# Altium PCB QCPower Rev A.PcbDoc (part 2 of 5)
Units mm, origin at the board's own origin, x right, y up, seen from the top; angles counter-clockwise.
Board outline 70 x 65 mm, 6 copper layers (Layer 1, Layer 2, Layer 3, Layer 4, Layer 5, Layer 6), stack 1.599 mm thick; 479 components, 300 nets, 1345 pads, 1188 vias.
Unrouted connection lines stored in the file: 4.
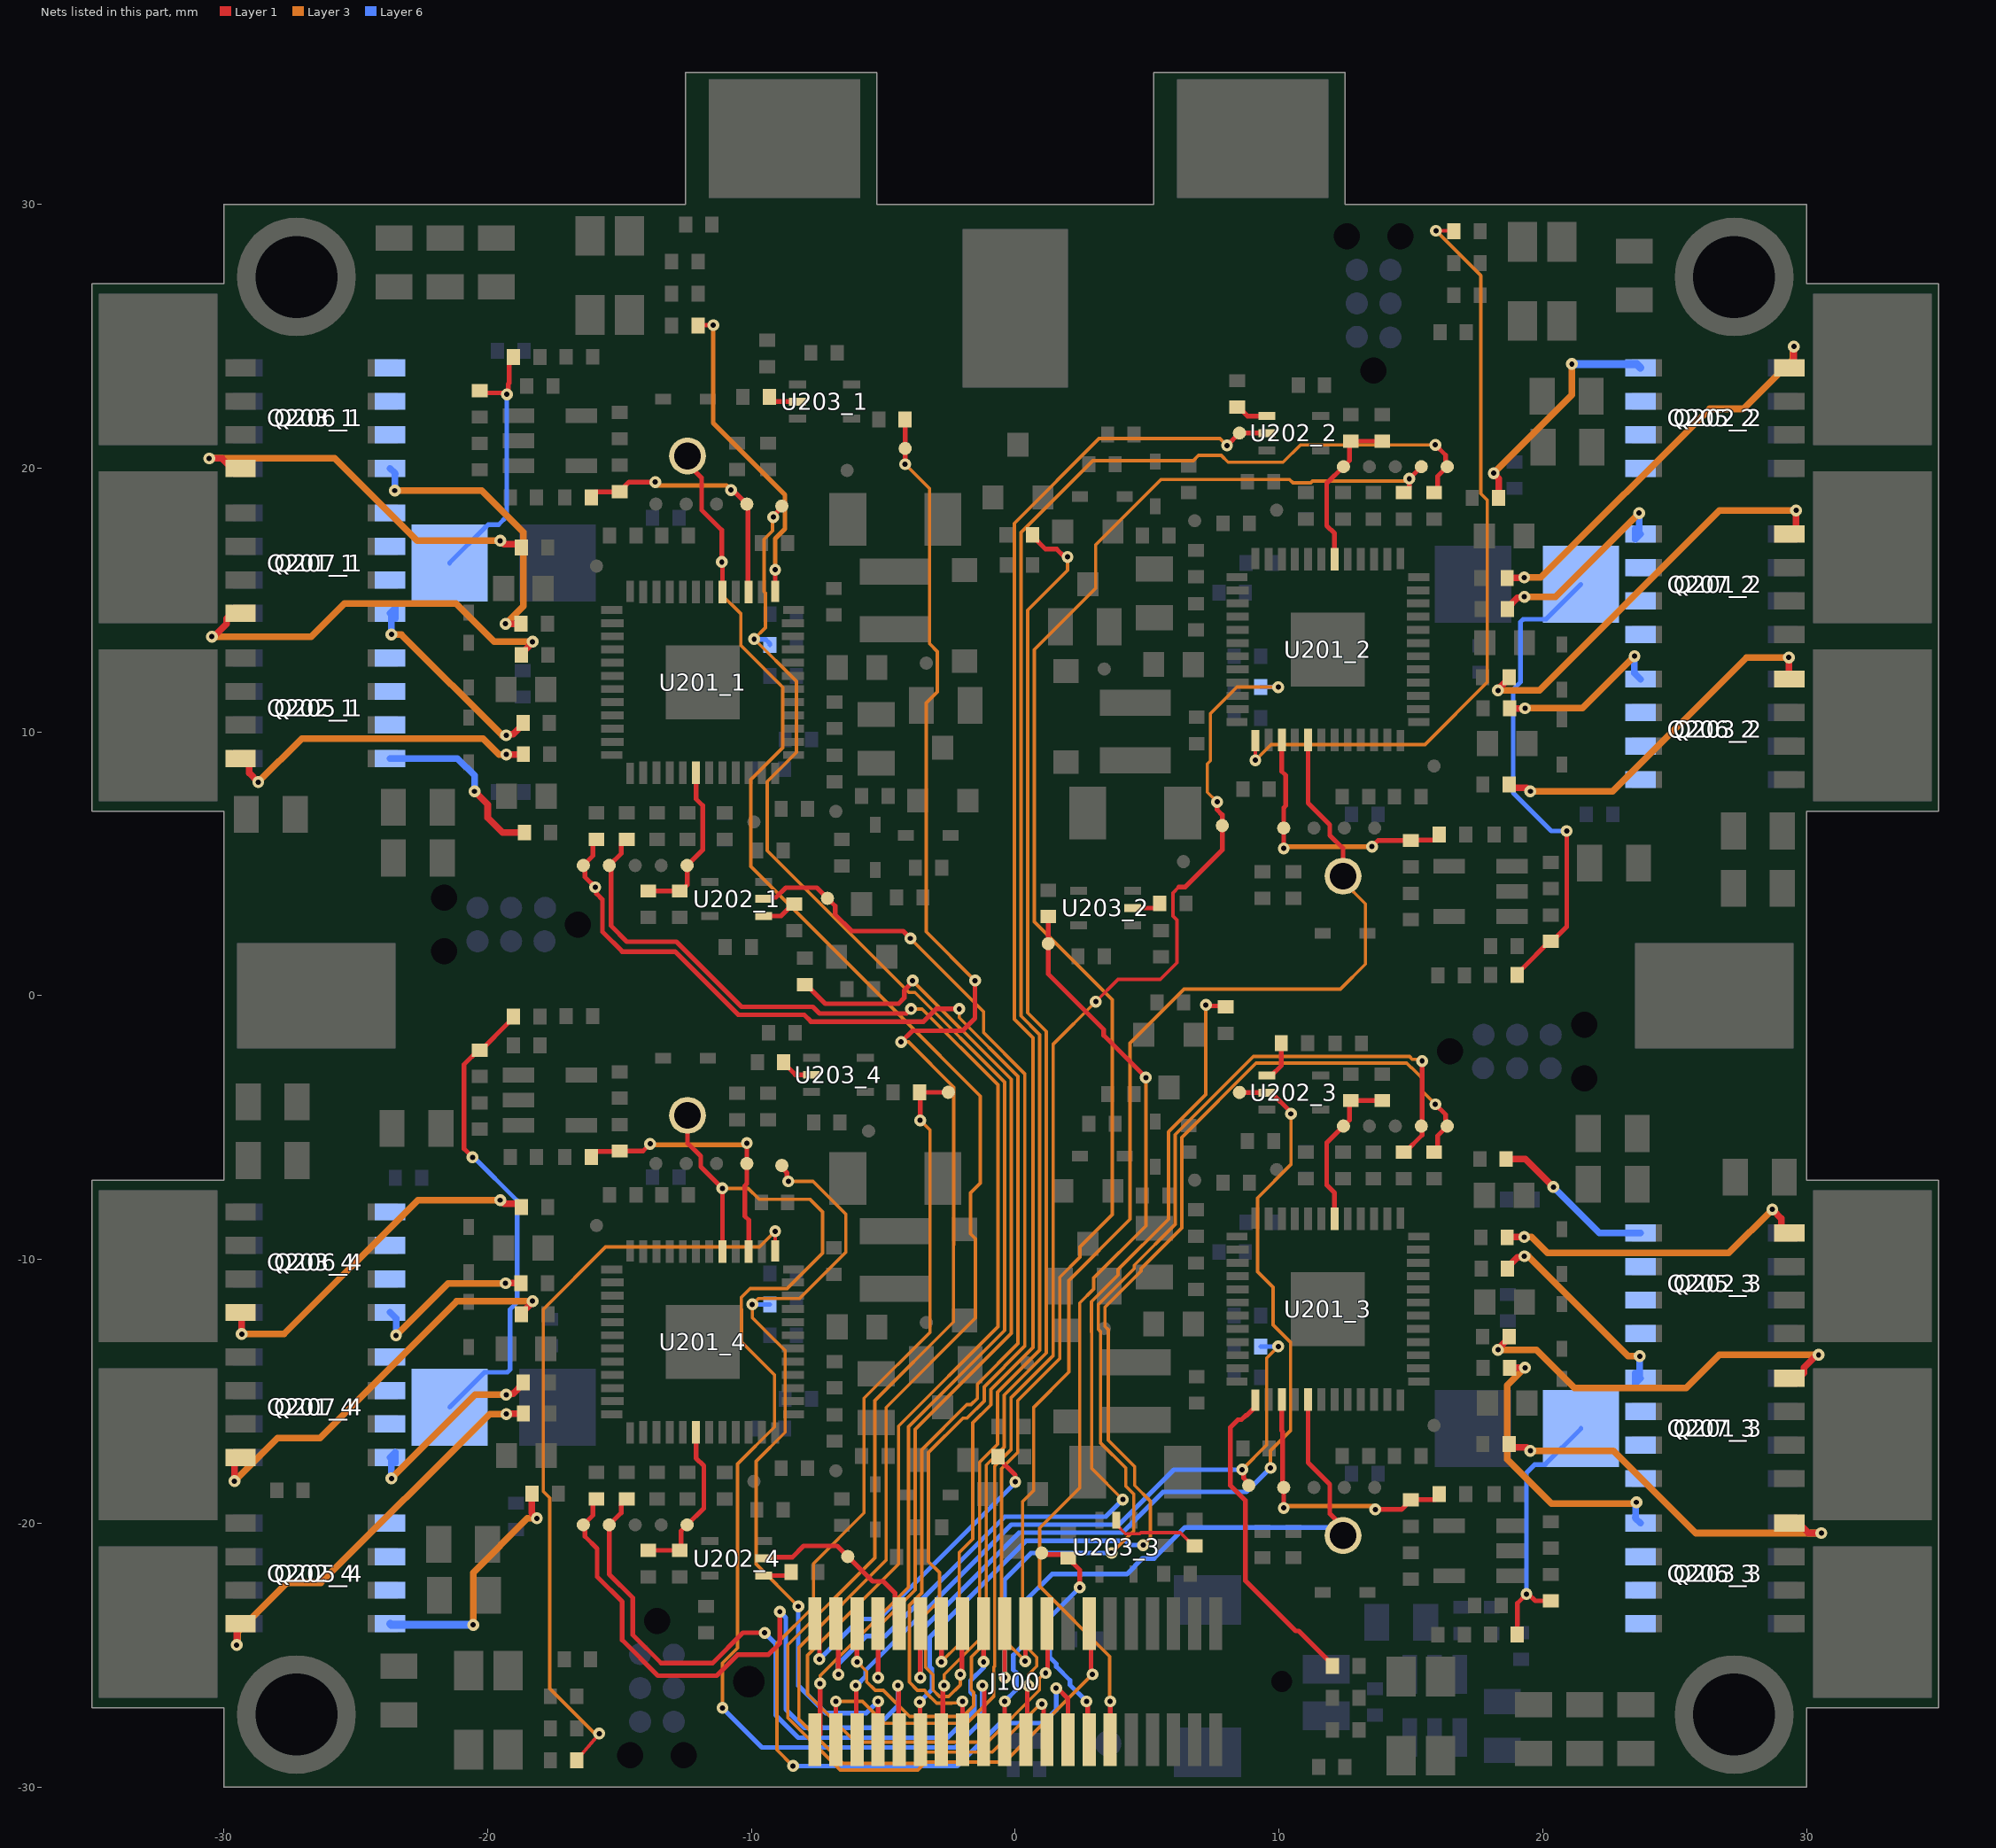
[diagram p6: the nets of this part, all layers, seen from the top]

## Footprints (in the part's own frame and the unit in brackets; to place one, negate y for a bottom-side part, rotate by r counter-clockwise, add the part's x,y. Pads: shape width x height; smd on the part's side, far side on the other; paste and mask are expansions set on the pad) (continued)
"DIODE SOD123" [mm]
  rect 0.9x0.95 smd: A(1.725,0) K(-1.725,0)
  silkscreen extent -2.42,-0.8 1.55,0.8, body extent -1.92,-0.67 1.93,0.68, height 0.81
"DIODE SOD-523" [mm]
  rect 0.605x0.401 smd paste+0 mask+0: A(0.852,0) K(-0.852,0)
  silkscreen extent -1.4,-0.58 0.78,0.58, body extent -0.85,-0.45 0.85,0.45, height 0.82
"IND SMD 0806" [mm]
  rect 1.1x1.77 smd: 1(-0.885,0) 2(0.885,0)
  silkscreen extent -1.67,-1.13 1.68,1.13, body extent -1,-0.8 1,0.8, height 1
"INDUCTOR SRN3015-220M" [mil]
  rect 39x106 smd paste+0 mask+0: 1(-43,0) 2(43,0)
  silkscreen extent -22,-66 22,66, body extent -61,-61 61,61, height 59
"PLCC-4 LED ASMB-MTB0-0A3A2" [mm]
  rect 1.1x1.5 smd: 1(-0.75,-1.5) 2(-0.75,1.5) 3(0.75,1.5) 4(0.75,-1.5)
  silkscreen extent -2.14,-2.14 1.53,1.7, body extent -1.4,-1.6 1.4,1.6, height 1.9
"POLARIZED CAP THROUGH HOLE SIDE MOUNT" [mm]
  rect 4x6 smd: 1(0,0)
  rect 4x6 smd far side: 2(0,0)
  silkscreen extent -2.3,-3 2.3,3.3, body extent -5,-20.69 5,0, height 4.21
"PowerFLAT 5x6" [mm]
  rect 0.65x1.15 smd: 1(-1.905,-2.7) 2(-0.635,-2.7) 3(0.635,-2.7) 4(1.905,-2.7) 5(1.905,2.7) 6(0.635,2.7) 7(-0.635,2.7) 8(-1.905,2.7)
  Layer 1 region: -2.3,3.275 -2.3,-1.325 2.3,-1.325 2.3,3.275 1.575,3.275 1.575,2.775 0.95,2.775 0.95,3.275 0.325,3.275 0.325,2.775 -0.325,2.775 -0.325,3.275 -0.95,3.275 -0.95,2.775 -1.575,2.775 -1.575,3.275
  silkscreen extent -2.6,-3.1 2.6,3.53, body extent -2.6,-3.1 2.6,3.05, height 0.95
SC70-5 [mm]
  rect 0.648x0.3 smd: 1(-1.022,0.65) 2(-1.022,0) 3(-1.022,-0.65) 4(1.022,-0.65) 5(1.022,0.65)
  silkscreen extent -0.83,-1.21 0.83,1.21, body extent -1.05,-1 1.05,1, height 1
"SMD CAP 0402" [mm]
  rect 0.5x0.6 smd mask+0.05: 1(-0.5,0) 2(0.5,0)
  silkscreen extent -0.98,-0.53 0.98,0.53, body extent -0.5,-0.25 0.5,0.25, height 0.35
"SMD CAP 0603" [mm]
  rect 0.8x0.95 smd mask+0.05: 1(-0.75,0) 2(0.75,0)
  silkscreen extent -1.38,-0.7 1.38,0.7, body extent -0.8,-0.4 0.8,0.4, height 0.6
"SMD CAP 0805" [mm]
  rect 0.95x1.4 smd mask+0.05: 1(-0.925,0) 2(0.925,0)
  silkscreen extent -1.63,-0.93 1.63,0.93, body extent -1,-0.62 1,0.63, height 0.85
"SMD CAP 1206" [mm]
  rect 1.4x2 smd: 1(-1.8,0) 2(1.8,0)
  silkscreen extent -2.73,-1.23 2.73,1.23, body extent -1.6,-0.8 1.6,0.8, height 1.8
"SMD CAP TANT 2917" [mil]
  rect 74x100 smd: 1(-113.5,0) 2(113.5,0)
  silkscreen extent -164,-94 152,94, body extent -147,-89 147,89, height 124
"SMD RES 0402" [mm]
  rect 0.5x0.6 smd mask+0.05: 1(-0.5,0) 2(0.5,0)
  silkscreen extent -0.98,-0.53 0.98,0.53, body extent -0.55,-0.25 0.55,0.25, height 0.32
"SMD RES 2010" [mm]
  rect 2.89x2.92 smd paste+0 mask+0: 1(-2.045,0) 2(2.045,0)
  silkscreen extent -0.38,-1.52 0.38,1.52, body extent -2.67,-1.4 2.67,1.4, height 1.04
SOT-23-3 [mm]
  rect 0.8x0.9 smd: 1(-0.95,-1) 2(0.95,-1) 3(0,1)
  silkscreen extent -1.5,-0.3 1.5,0.7, body extent -2.22,-2.25 2.04,1.97, height 1.12
SOT-23-5 [mil]
  rect 47.24x22 smd: 1(-47,37.4) 2(-47,0) 3(-47,-37.4) 4(47,-37.4) 5(47,37.4)
  silkscreen extent -12,-60 34,60, body extent -55,-57 55,57, height 47
SOT-23-6 [mil]
  rect 58x22 smd: 1(-47,37.4) 2(-47,0) 3(-47,-37.4) 4(47,-37.4) 5(47,0) 6(47,37.4)
  silkscreen extent -12,-60 12,60, body extent -59,-60 59,60, height 57
tag-connect-6 [mil]
  round 19.68 hole 39 unplated: 0(0,0) 0(200,-40) 0(200,40)
  round 33 smd paste-30: 1(50,-25) 2(49.21,25) 3(100,-25) 4(100,25) 5(150,-25) 6(150,25)
"TESTPOINT 0.5mm DIA" [mm]
  round 0.5 smd paste-10: 1(0,0)
  silkscreen extent -0.47,-0.47 0.48,0.47
"TESTPOINT 1mm DIA" [mm]
  round 1 smd paste-10: 1(0,0)
  silkscreen extent -0.72,-0.73 0.73,0.73
"TESTPOINT TH" [mm]
  round 1.4 hole 1.02 paste-10: 1(0,0)
  silkscreen extent -1.27,-1.27 1.27,1.27, body extent -1.27,-1.27 1.27,1.27, height 4.57
"VQFN-48 7x7" [mm]
  rect 0.8x0.3 smd mask+0.025: 1(-3.45,2.75) 12(-3.45,-2.75) 25(3.45,-2.75) 36(3.45,2.75)
  rect 0.85x0.3 smd mask+0.025: 2(-3.425,2.25) 3(-3.425,1.75) 4(-3.425,1.25) 5(-3.425,0.75) 6(-3.425,0.25) 7(-3.425,-0.25) 8(-3.425,-0.75) 9(-3.425,-1.25) 10(-3.425,-1.75) 11(-3.425,-2.25) 26(3.425,-2.25) 27(3.425,-1.75) 28(3.425,-1.25) 29(3.425,-0.75) 30(3.425,-0.25) 31(3.425,0.25) 32(3.425,0.75) 33(3.425,1.25) 34(3.425,1.75) 35(3.425,2.25)
  rect 0.3x0.8 smd mask+0.025: 13(-2.75,-3.45) 24(2.75,-3.45) 37(2.75,3.45) 48(-2.75,3.45)
  rect 0.3x0.85 smd mask+0.025: 14(-2.25,-3.425) 15(-1.75,-3.425) 16(-1.25,-3.425) 17(-0.75,-3.425) 18(-0.25,-3.425) 19(0.25,-3.425) 20(0.75,-3.425) 21(1.25,-3.425) 22(1.75,-3.425) 23(2.25,-3.425) 38(2.25,3.425) 39(1.75,3.425) 40(1.25,3.425) 41(0.75,3.425) 42(0.25,3.425) 43(-0.25,3.425) 44(-0.75,3.425) 45(-1.25,3.425) 46(-1.75,3.425) 47(-2.25,3.425)
  rect 2.8x2.8 smd: 49(0,0)
  silkscreen extent -4.2,-3.71 3.71,3.71, body extent -3.58,-3.58 3.58,3.58, height 0.94

## Part data
C100 C201_1 C201_2 C201_3 C201_4 C202_1 C202_2 C202_3 C202_4 C203_1 C203_2 C203_3 C203_4 C204_1 C204_2 C204_3 C204_4 C205_1 C205_2 C205_3 C205_4 C206_1 C206_2 C206_3 C206_4 C207_1 C207_2 C207_3 C207_4: library part "CAP MLCC SMD", "CAP CER 4.7UF 50V X5R 0805", 1. Manufacturer="Samsung Electro-Mechanics", 2. Manufacturer Part Number=CL21A475KBQNNNE, 4. Package=0805, 3. Date Modified=20201125
C101 C200_1 C200_2 C200_3 C200_4 C210_1 C210_2 C210_3 C210_4 C212_1 C212_2 C212_3 C212_4 C218_1 C218_2 C218_3 C218_4 C219_1 C219_2 C219_3 C219_4: library part "CAP MLCC SMD", "CAP CER 0.1UF 25V X7R 0402", 1. Manufacturer=Yageo, 2. Manufacturer Part Number=CC0402KRX7R8BB104, 4. Package=0402, 3. Date Modified=20201122
C102: library part "CAP POL", "CAP TANT 150UF 10% 10V 2917", 1. Manufacturer=KEMET, 2. Manufacturer Part Number=T495D157K010ATE100, 4. Package=2917, 3. Date Modified=20200910
C103 C213_1 C213_2 C213_3 C213_4: library part "CAP MLCC SMD", "CAP CER 10UF 25V X5R 0805", 1. Manufacturer="Taiyo Yuden", 2. Manufacturer Part Number=TMK212BBJ106KG-T, 4. Package=0805, 3. Date Modified=20201219
C104 C208_1 C208_2 C208_3 C208_4 C209_1 C209_2 C209_3 C209_4 C211_1 C211_2 C211_3 C211_4 C221_1 C221_2 C221_3 C221_4 C222_1 C222_2 C222_3 C222_4 C223_1 C223_2 C223_3 C223_4 C224_1 C224_2 C224_3 C224_4: library part "CAP MLCC SMD", "CAP CER 10000PF 16V X7R 0402", 1. Manufacturer="Walsin Technology Corporation", 2. Manufacturer Part Number=0402B103K160CT, 4. Package=0402, 3. Date Modified=20201122
C107 C109: library part "CAP POL", "CAP ALUM 220UF 20% 63V RADIAL", 1. Manufacturer=Nichicon, 2. Manufacturer Part Number=UCD1J221MNQ1MS, 3. Date Modified=20201128
C108: library part "CAP POL", "CAP ALUM 220UF 20% 63V RADIAL", 1. Manufacturer="Panasonic Electronic Components", 2. Manufacturer Part Number=ECA-1JM221, 3. Date Modified=20201204
C214_1 C214_2 C214_3 C214_4 C216_1 C216_2 C216_3 C216_4 C220_1 C220_2 C220_3 C220_4: library part "CAP MLCC SMD", "CAP CER 0.68UF 25V X7R 0603", 1. Manufacturer="TDK Corporation", 2. Manufacturer Part Number=CGA3E1X7R1E684K080AC, 4. Package=0603, 3. Date Modified=20201125
C215_1 C215_2 C215_3 C215_4: library part "CAP MLCC SMD", "CAP CER 0.33UF 50V X7R 0603", 1. Manufacturer="TDK Corporation", 2. Manufacturer Part Number=C1608X7R1H334K080AC, 4. Package=0402, 3. Date Modified=20201125
C217_1 C217_2 C217_3 C217_4: library part "CAP MLCC SMD", "CAP CER 47UF 10V X5R 1206", 1. Manufacturer="Murata Electronics", 2. Manufacturer Part Number=GRM31CR61A476ME15L, 4. Package=1206, 3. Date Modified=20200805
D200_1 D200_2 D200_3 D200_4: library part "DIODE ZENER", "DIODE ZENER 10V 350MW SOD523", 1. Manufacturer="Diodes Incorporated", 2. Manufacturer Part Number=BZT585B10T-7, 3. Date Modified=20201128
D201_1 D201_2 D201_3 D201_4 D202_1 D202_2 D202_3 D202_4 D203_1 D203_2 D203_3 D203_4 D204_1 D204_2 D204_3 D204_4 D205_1 D205_2 D205_3 D205_4: library part "DIODE STANDARD", "DIODE GEN PURP 75V 200MA SOD523F", 1. Manufacturer="ON Semiconductor", 2. Manufacturer Part Number=1N4148WT, 3. Date Modified=20201128
D206_1 D206_2 D206_3 D206_4: library part "DIODE SCHOTTKY", "DIODE SCHOTTKY 60V 500MA SOD123", 1. Manufacturer=STMicroelectronics, 2. Manufacturer Part Number=STPS0560Z, 3. Date Modified=20201125
D207_1 D207_2 D207_3 D207_4: library part "LED RGB DIFFUSED 4PLCC SMD", "LED RGB DIFFUSED 4PLCC SMD", 1. Manufacturer="Broadcom Limited", 2. Manufacturer Part Number=ASMB-MTB0-0A3A2, 3. Date Modified=20201125
J100: library part "CONN QCOPTER LOGIC REV A", "CONN QCOPTER LOGIC REV A", 1. Manufacturer="Amphenol ICC (FCI)", 2. Manufacturer Part Number=10144517-041802LF, 3. Date Modified=20201203
J101 J102 J200_1 J200_2 J200_3 J200_4 J201_1 J201_2 J201_3 J201_4 J202_1 J202_2 J202_3 J202_4: library part "CONN SOLDER MOTOR 7x5", "CONN SOLDER MOTOR 7x5"
J203_1 J203_2 J203_3 J203_4: "TC2030 PGM PADS", 1. Manufacturer=NA, 2. Manufacturer Part Number=NA
L100: library part INDUCTOR, "FIXED IND 3.3UH 1.2A 150 MOHM", 1. Manufacturer="Murata Electronics", 2. Manufacturer Part Number=LQM2MPN3R3NG0L, 3. Date Modified=20201126
L200_1 L200_2 L200_3 L200_4: library part INDUCTOR, "IND FIXED 22UH 600MA 622MOHM SMD"
Q200_1 Q200_2 Q200_3 Q200_4: library part "TRANS FET P-CH 40V 2.4A SOT23-3", "TRANS FET P-CH 40V 2.4A SOT23-3", 1. Manufacturer="Diodes Incorporated", 2. Manufacturer Part Number=DMP4065S-7, 3. Date Modified=20201128
Q201_1 Q201_2 Q201_3 Q201_4 Q202_1 Q202_2 Q202_3 Q202_4 Q203_1 Q203_2 Q203_3 Q203_4 Q205_1 Q205_2 Q205_3 Q205_4 Q206_1 Q206_2 Q206_3 Q206_4 Q207_1 Q207_2 Q207_3 Q207_4: library part "TRANS FET N-CH 60V 145A 8PWRFLAT STL140N6F7", "MOSFET N-CH 40V 120A POWERFLAT", 1. Manufacturer=STMicroelectronics, 2. Manufacturer Part Number=STL140N4F7AG?, 3. Date Modified=20201118
Q204_1 Q204_2 Q204_3 Q204_4: library part "TRANS FET N-CH 50V 200MA SOT23-3 BSS138-7-F", "TRANS FET N-CH 50V 200MA SOT23-3 BSS138-7-F", 1. Manufacturer="Diodes Incorporated", 2. Manufacturer Part Number=BSS138-7-F, 3. Date Modified=20201128
R100: library part "RES SMD", "RES SMD 51K OHM 1% 1/16W 0402", 1. Manufacturer=Yageo, 2. Manufacturer Part Number=RC0402FR-0751KL, 4. Package=0402, 3. Date Modified=20201126
R101: library part "RES SMD", "RES SMD 22.1K OHM 1% 1/16W 0402", 1. Manufacturer=Yageo, 2. Manufacturer Part Number=RC0402FR-0722K1L, 4. Package=0402, 3. Date Modified=20201126
R102: library part "RES SMD", "NTC,100K,1%,0402,AEC-Q200,EPOXY", 1. Manufacturer="TDK Corporation", 2. Manufacturer Part Number=NTCSP104KF104FT1S, 4. Package=0402, 3. Date Modified=20201220
R103 R206_1 R206_2 R206_3 R206_4 R211_1 R211_2 R211_3 R211_4 R221_1 R221_2 R221_3 R221_4 R227_1 R227_2 R227_3 R227_4 R228_1 R228_2 R228_3 R228_4 R229_1 R229_2 R229_3 R229_4 R230_1 R230_2 R230_3 R230_4: library part "RES SMD", "RES SMD 1K OHM 1% 1/16W 0402", 1. Manufacturer=Yageo, 2. Manufacturer Part Number=RC0402FR-071KL, 4. Package=0402, 3. Date Modified=20201122
R104 R200_1 R200_2 R200_3 R200_4 R201_1 R201_2 R201_3 R201_4 R210_1 R210_2 R210_3 R210_4: library part "RES SMD", "RES SMD 100K OHM 1% 1/16W 0402", 1. Manufacturer=Yageo, 2. Manufacturer Part Number=RC0402FR-07100KL, 4. Package=0402, 3. Date Modified=20201128
R202_1 R202_2 R202_3 R202_4 R226_1 R226_2 R226_3 R226_4: library part "RES SMD", "RES SMD 24K OHM 1% 1/16W 0402", 1. Manufacturer=Yageo, 2. Manufacturer Part Number=RC0402FR-0724KL, 4. Package=0402, 3. Date Modified=20201125
R203_1 R203_2 R203_3 R203_4 R204_1 R204_2 R204_3 R204_4 R205_1 R205_2 R205_3 R205_4 R207_1 R207_2 R207_3 R207_4 R208_1 R208_2 R208_3 R208_4 R209_1 R209_2 R209_3 R209_4 R245_1 R245_2 R245_3 R245_4: library part "RES SMD", "RES SMD 24 OHM 5% 1/10W 0402", 1. Manufacturer="Panasonic Electronic Components", 2. Manufacturer Part Number=ERJ-2GEJ240X, 4. Package=0402, 3. Date Modified=20201121
R212_1 R212_2 R212_3 R212_4 R213_1 R213_2 R213_3 R213_4 R214_1 R214_2 R214_3 R214_4 R216_1 R216_2 R216_3 R216_4 R218_1 R218_2 R218_3 R218_4 R224_1 R224_2 R224_3 R224_4 R225_1 R225_2 R225_3 R225_4 R231_1 R231_2 R231_3 R231_4 R238_1 R238_2 R238_3 R238_4 R246_1 R246_2 R246_3 R246_4: library part "RES SMD", "RES SMD 10K OHM 1% 1/16W 0402", 1. Manufacturer=Yageo, 2. Manufacturer Part Number=RC0402FR-0710KL, 4. Package=0402, 3. Date Modified=20201122
R215_1 R215_2 R215_3 R215_4: library part "RES SMD", "RES 0.001 OHM 1% 1.5W 2010", 1. Manufacturer="Stackpole Electronics Inc", 2. Manufacturer Part Number=CSNL2010FT1L00, 4. Package=2010, 3. Date Modified=20201125
R217_1 R217_2 R217_3 R217_4 R219_1 R219_2 R219_3 R219_4 R222_1 R222_2 R222_3 R222_4 R223_1 R223_2 R223_3 R223_4 R232_1 R232_2 R232_3 R232_4 R234_1 R234_2 R234_3 R234_4 R241_1 R241_2 R241_3 R241_4 R242_1 R242_2 R242_3 R242_4 R243_1 R243_2 R243_3 R243_4 R244_1 R244_2 R244_3 R244_4: library part "RES SMD", "RES SMD 0 OHM JUMPER 1/16W 0402", 1. Manufacturer=Yageo, 2. Manufacturer Part Number=RC0402FR-070RL, 4. Package=0402, 3. Date Modified=20201122
R220_1 R220_2 R220_3 R220_4 R233_1 R233_2 R233_3 R233_4: library part "RES SMD", "RES SMD 470K OHM 1% 1/16W 0402", 1. Manufacturer=Yageo, 2. Manufacturer Part Number=RC0402FR-07470KL, 4. Package=0402, 3. Date Modified=20201125
R235_1 R235_2 R235_3 R235_4: library part "RES SMD", "RES SMD 33K OHM 1% 1/16W 0402", 1. Manufacturer=Yageo, 2. Manufacturer Part Number=RC0402FR-0733KL, 4. Package=0402, 3. Date Modified=20201125
R236_1 R236_2 R236_3 R236_4: library part "RES SMD", "RES SMD 220 OHM 5% 1/16W 0402", 1. Manufacturer=Yageo, 2. Manufacturer Part Number=RC0402JR-07220RL, 4. Package=0402, 3. Date Modified=20201125
R237_1 R237_2 R237_3 R237_4: library part "RES SMD", "RES SMD 330 OHM 5% 1/16W 0402", 1. Manufacturer=Yageo, 2. Manufacturer Part Number=RC0402JR-07330RL, 4. Package=0402, 3. Date Modified=20201125
R239_1 R239_2 R239_3 R239_4 R240_1 R240_2 R240_3 R240_4: library part "RES SMD", "RES SMD 39 OHM 5% 1/16W 0402", 1. Manufacturer=Yageo, 2. Manufacturer Part Number=RC0402JR-0739RL, 4. Package=0402, 3. Date Modified=20201125
TP100 TP200_1 TP200_2 TP200_3 TP200_4 TP201_1 TP201_2 TP201_3 TP201_4 TP202_1 TP202_2 TP202_3 TP202_4 TP203_1 TP203_2 TP203_3 TP203_4 TP205_1 TP205_2 TP205_3 TP205_4 TP206_1 TP206_2 TP206_3 TP206_4 TP207_1 TP207_2 TP207_3 TP207_4 TP208_1 TP208_2 TP208_3 TP208_4 TP209_1 TP209_2 TP209_3 TP209_4 TP210_1 TP210_2 TP210_3 TP210_4 TP211_1 TP211_2 TP211_3 TP211_4 TP214_1 TP214_2 TP214_3 TP214_4 TP219_1 TP219_2 TP219_3 TP219_4 TP220_1 TP220_2 TP220_3 TP220_4 TP222_1 TP222_2 TP222_3 TP222_4 TP224_1 TP224_2 TP224_3 TP224_4 TP225_1 TP225_2 TP225_3 TP225_4: library part "TESTPOINT PAD", "TESTPOINT SMD PAD"
TP204_1 TP204_2 TP204_3 TP204_4: "TESTPOINT TH KEYSTONE", 1. Manufacturer="Keystone Electronics", 2. Manufacturer Part Number=5002, 3. Date Modified=20200805
U100: library part "IC REG BUCK 1A SOT-23-6", "IC REG BUCK 1A SOT-23-6", 1. Manufacturer="Texas Instruments", 2. Manufacturer Part Number=LMR50410YQDBVRQ1, 3. Date Modified=20201126
U200_1 U200_2 U200_3 U200_4: library part "IC OPAMP GP 1 CIRCUIT SOT23-5", "IC OPAMP GP 1 CIRCUIT SOT23-5"
U201_1 U201_2 U201_3 U201_4: library part "IC BLDC CONTROLLER STSPIN32F0A", "IC BLDC CONTROLLER STSPIN32F0A", 1. Manufacturer=ST, 2. Manufacturer Part Number=STSPIN32F0A, 3. Date Modified=20201118
U202_1 U202_2 U202_3 U202_4 U203_1 U203_2 U203_3 U203_4: library part "IC BUF TRI-STATE NON-INVERT 5.5V SC70-5", "IC BUF TRI-STATE NON-INVERT 5.5V SC70-5", 1. Manufacturer="Texas Instruments", 2. Manufacturer Part Number=SN74LVC1G125DCKR, 3. Date Modified=20200828

## Free pads (board coordinates)
  round 4.5 hole 3.1: S(-27.25,-27.25) S(-27.25,27.25) S(27.25,27.25) S(27.25,-27.25)

## Via types
v1: diameter 0.457, hole 0.2, Layer 1 to Layer 6, tented both sides, 455 vias
v2: diameter 0.45, hole 0.2, Layer 1 to Layer 6, tented both sides, 379 vias
v3: diameter 0.457, hole 0.2, Layer 1 to Layer 6, 336 vias
v4: diameter 0.889, hole 0.635, Layer 1 to Layer 6, 14 vias
v5: diameter 0.635, hole 0.381, Layer 1 to Layer 6, tented both sides, 4 vias

## Nets (pads, with @x,y where several pads share a name; then routed paths per layer and width w, separated by ;. In a path a pad name is that pad's centre, name@x,y a point inside that pad or via, vN(x,y) a via of type N, cw(c..) or ccw(c..) an arc to the next point about the centre after c; other vN are vias at no path point)
ARM_BUS1: J100.34 R206_1.2 | length 37.1
  Layer 1 w0.178: R206_1.2@-7.975,0.425 -7.925,0.425 -7.2,-0.3 -4.425,-0.3 -4.209,-0.084 -4.209,0.198 -3.891,0.516 v2(-3.891,0.575) ; v2(-5.2,-25.85) J100.34@-5.2,-23.8
  Layer 3 w0.127: v2(-5.2,-25.85) -5.2,-23.934 -3.796,-22.53 -3.796,-16.44 -0.15,-12.794 -0.15,-3.166 v2(-3.891,0.575)
ARM_BUS2: J100.36 R206_2.2 | length 54.5
  Layer 1 w0.178: v2(-6,-25.25) J100.36@-6,-23.8 ; R206_2.2@0.648,17.475 0.648,17.425 1.14,16.934 1.566,16.934 1.863,16.637 v2(1.981,16.637)
  Layer 3 w0.127: v2(-6,-25.25) -5.633,-25.617 -5.633,-26.008 -5.308,-26.333 -5,-26.333 -4.008,-27.325 -1.985,-27.325 -1.583,-26.923 -1.583,-26.409 -1.668,-26.324 -1.668,-25.905 -1.665,-25.903 -1.665,-25.065 -1.099,-24.499 -1.099,-17.791 -0.417,-17.108 -0.417,-15.139 1.178,-13.544 1.178,-1.353 0.47,-0.645 0.47,14.62 1.981,16.131 v2(1.981,16.637)
ARM_BUS3: J100.38 R206_3.2 | length 37.5
  Layer 1 w0.178: J100.38@-6.8,-23.8 -6.706,-23.895 v2(-6.706,-25.73) ; v2(7.225,-0.35) 7.262,-0.387 7.938,-0.387 R206_3.2@7.975,-0.425
  Layer 3 w0.127: v2(4.075,-19.1) 2.9,-17.925 2.9,-12.755 2.892,-12.747 2.892,-11.598 3.9,-10.59 3.9,-10.375 5.806,-8.469 5.806,-5.16 7.225,-3.741 v2(7.225,-0.35)
  Layer 6 w0.178: v2(-6.706,-25.73) -6.706,-25.329 -5.648,-24.271 -4.921,-24.271 -0.395,-19.745 3.43,-19.745 v2(4.075,-19.1)
ARM_BUS4: J100.40 R206_4.2 | length 12.9
  Layer 1 w0.178: J100.40@-7.6,-23.8 -7.425,-23.975 v2(-7.425,-25.15) ; R206_4.2@-0.648,-17.475 -0.648,-17.525 0,-18.174 v2(0,-18.425)
  Layer 6 w0.178: v2(-7.425,-25.15) -5.9,-23.625 -5.162,-23.625 0,-18.463 v2(0,-18.425)
BLDC_BOOTLOADER_RX1: J100.18 R217_1.1 TP208_1.1 | length 60
  Layer 1 w0.178: R217_1.1@-14.727,5.929 -14.777,5.929 -14.938,5.768 -14.938,5.396 TP208_1.1@-15.393,4.941 -15.325,4.874 -15.325,2.65 -14.725,2.05 -12.844,2.05 -10.374,-0.42 -7.677,-0.42 -7.423,-0.675 -4.125,-0.675 v2(-3.95,-0.5) ; v2(1.15,-25.676) 1.15,-25.626 1.225,-25.551 1.225,-23.825 J100.18@1.2,-23.8
  Layer 3 w0.127: v2(-3.95,-0.5) -3.534,-0.5 -0.658,-3.376 -0.658,-12.549 -4.425,-16.316 -4.425,-21.55 -7.875,-25 -7.875,-26.475 -6.056,-28.294 -1.052,-28.294 0.918,-26.324 0.918,-25.88 v2@1.136,-25.662
BLDC_BOOTLOADER_RX2: J100.20 R217_2.1 TP208_2.1 | length 62.4
  Layer 1 w0.178: v2(0.375,-25.226) 0.387,-25.214 0.387,-23.813 J100.20@0.4,-23.8 ; R217_2.1@14.727,19.071 14.777,19.071 14.938,19.232 v2(14.938,19.604) TP208_2.1@15.393,20.059
  Layer 3 w0.127: v2@0.375,-25.225 -0.517,-24.333 -0.517,-17.927 0.091,-17.318 0.091,-15.349 1.686,-13.754 1.686,-10.669 2.45,-9.906 2.45,-9.525 3.675,-8.3 3.675,-0.15 0.724,2.801 0.724,13.124 3.05,15.45 3.05,17.1 5.525,19.575 10.4,19.575 10.533,19.442 11.198,19.442 11.269,19.513 14.938,19.513 v2(14.938,19.604)
BLDC_BOOTLOADER_RX3: J100.22 R217_3.1 TP208_3.1 | length 42.6
  Layer 1 w0.178: v2(-0.4,-25.85) J100.22@-0.4,-23.8 ; R217_3.1@14.727,-5.929 14.777,-5.929 15.425,-5.281 v2(15.425,-2.475)
  Layer 3 w0.127: v2(3.65,-21.126) 4.493,-20.284 4.493,-18.893 4.187,-18.587 4.187,-17.904 3.229,-16.945 3.229,-12.725 3.146,-12.642 3.146,-11.703 4.506,-10.343 4.506,-10.219 6.06,-8.665 6.06,-5.266 9.024,-2.301 14.941,-2.301 15.053,-2.413 15.363,-2.413 v2(15.425,-2.475)